# Altium PCB DIOT_temperature_logger.PCBDOC (part 3 of 5)
Units mm, origin at the board's own origin, x right, y up, seen from the top; angles counter-clockwise.
Board outline 238.48 x 100 mm, 4 copper layers (TOP, G1, L2, BOT), stack 1.55 mm thick; 582 components, 585 nets, 2348 pads, 974 vias.
Unrouted connection lines stored in the file: 797.
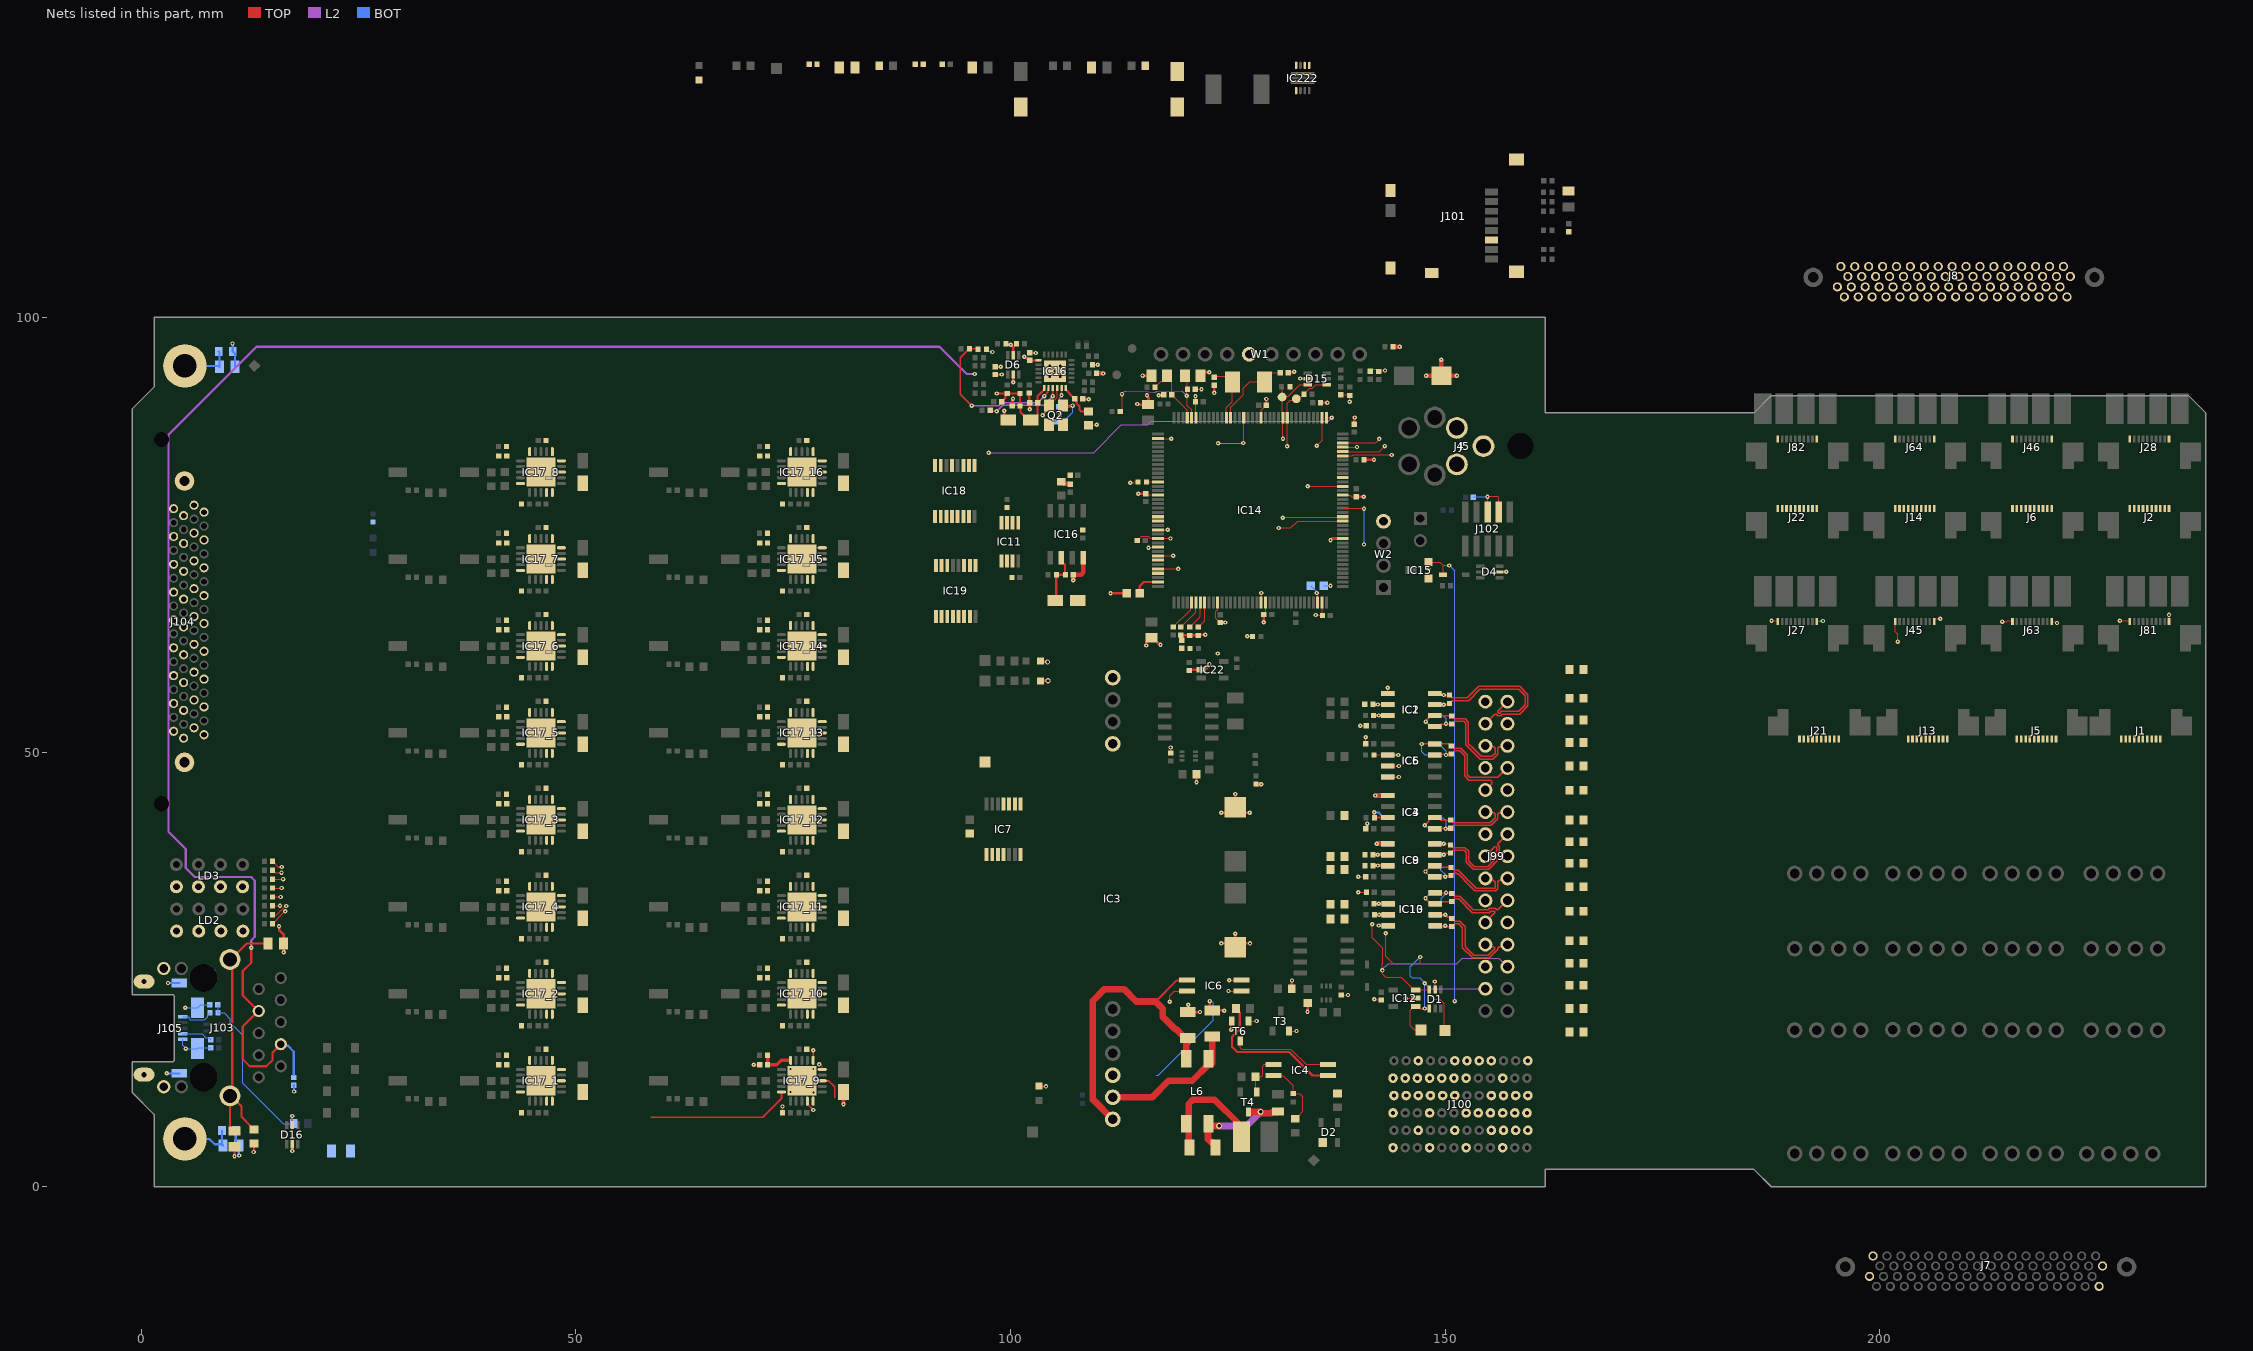
[diagram p5: the nets of this part, all layers, seen from the top]

## Part data (continued)
R333 R888: library part R0603_47K_1%_0.1W_100PPM, "Resistor - 1%", Case=0603, Manufacturer=GENERIC, Manufacturer1 ComponentHeight=0.55mm, Manufacturer1 Example="NIC COMPONENT", Manufacturer1 Part Number=NRC06F4702TRF, Power=0.1W, Tolerance=±1%, Author="CERN DEM JLC", Component Type=Standard, CreateDate=03.12.2007, HelpURL=\\cern.ch\dfs\Applications\Altium\Datasheets\R0603_NIC_NRC.pdf, LatestRevisionDate=13.03.2008, Manufacturer Part Number=R0603_47K_1%_0.1W_100PPM, Mounted=Yes, Part Description="General Purpose Thick Film Chip Resistor", Part Number=R0603_47K_1%_0.1W_100PPM, Pin Count=2, Sense=No, SMD=Yes, Socket=No, Status=Preferred, TC=±100ppm/°C
ST1: library part SCHROFF_PANEL_3U_4HP_Thermostat, "Schroff 3HP 4U EUROCARD Panel", Manufacturer=Schroff, Manufacturer Part Number=20818-017, Manufacturer Part Number 2=20848-664
SW1_1 SW1_2 SW1_3 SW1_4 SW1_5 SW1_6 SW1_7 SW1_8 SW1_9 SW1_10 SW1_11 SW1_12 SW1_13 SW1_14 SW1_15 SW1_16: library part SW_OMRON_A6SN-1101, "1 Ways SPST DIP Switch", Manufacturer=OMRON, Manufacturer Part Number=A6SN-1101, Author="CERN DEM JLC", Component Type=Standard, ComponentHeight=4.6mm, CreateDate=25.02.2013, Family=Switch, HelpURL=\\cern.ch\dfs\Applications\Altium\Datasheets\SW_OMRON_A6SN-1101.pdf, LatestRevisionDate=25.02.2013, Mounted=Yes, PackageDescription="Body 4.48x7.5mm, 1 Way SPST Surface-Mounting Slide Switch With Flat Actuator (A6SN Series)", Part Description="1 Way SPST Surface-Mounting Slide Switch With Flat Actuator, Contact Rating 25mA 24VDC", Part Number=SW_OMRON_A6SN-1101, Pin Count=2, PressFit=No, Sense=No, SMD=Yes, Socket=No, Status=None
T1 T3: "-30V -19.7A P-Channel MOSFET", Case=SOIC8, Manufacturer="VISHAY SILICONIX", Author="CERN DEM MR", Bonding=No, Component Type=Standard, ComponentHeight=1.75mm, CreateDate=05/10/2016, Device=SI4425DDY-T1-GE3, HelpURL=\\cern.ch\dfs\Applications\Altium\Datasheets\SI4425DDY-T1-GE3.pdf, LatestRevisionDate=05/10/2016, Manufacturer Part Number=SI4425DDY-T1-GE3, Mounted=Yes, PackageDescription="SOIC 8, Pitch 1.27mm - Body 4x5mm, IPC Medium Density", Part Description="-30V -19.7A P-Channel MOSFET", Part Number=SI4425DDY-T1-GE3, Pin Count=8, PressFit=No, Sense=No, SMD=Yes, Socket=No
T2 T5: "45V, 100mA PNP General Purpose Double Transistor", Case=SOT666, Manufacturer="NXP SEMICONDUCTORS", Author="CERN DEM JLC", Bonding=No, Component Type=Standard, ComponentHeight=0.6mm, CreateDate=01/12/2011, Device=BC857BV, HelpURL=\\cern.ch\dfs\Applications\Altium\Datasheets\BC857BV.pdf, LatestRevisionDate=01/12/2011, Manufacturer Part Number=BC857BV, Mounted=Yes, PackageDescription="SOTFL (SOT666), 0.50mm, Pitch; 6 Pin, 1.20mm W X 1.60mm L X 0.60mm H Body, IPC Medium Density", Part Description="-45V -100mA PNP General Purpose Double Transistor", Part Number=BC857BV, Pin Count=6, PressFit=No, Sense=No, SMD=Yes, Socket=No
T3 T4 T6: "N-CHANNEL MOSFET WITH DIODE", Case=SOT23-3, Manufacturer="ON SEMICONDUCTOR", Bonding=No, Component Type=Standard, Mounted=Yes, Pin Count=3, PressFit=No, Sense=No, SMD=Yes, Socket=No
  T3 T6: Author="CERN DEM JLC", ComponentHeight=1.11mm, CreateDate=23.03.2009, Device=BSS138LT1G, HelpURL=\\cern.ch\dfs\Applications\Altium\Datasheets\BSS138LT1G.pdf, LatestRevisionDate=23.03.2009, Manufacturer Part Number=BSS138LT1G, PackageDescription="SOT23 3-Leads, Pitch 0.95mm - Body 1.4x3mm, IPC Medium Density", Part Description="50V 200mA N-Channel Enhancement Mode Field-Effect Transistor", Part Number=BSS138LT1G
  T4: Author="CERN DEM BC", ComponentHeight=1.12mm, ComponentLink1Description="Package Drawing", ComponentLink1URL=\\cern.ch\dfs\Applications\Altium\Datasheets\FDN86246_Package.pdf, CreateDate=10.10.2019, Device=FDN86246, HelpURL=\\cern.ch\dfs\Applications\Altium\Datasheets\FDN86246.pdf, LatestRevisionDate=10.10.2019, Manufacturer Part Number=FDN86246, PackageDescription="SOT, 0.95mm, pitch; 3 pin,1.30mm W X 2.92mm L X 1.12mm H body, IPC Medium Density", Part Description="150V 1.6A N-Channel Power Trench® MOSFET", Part Number=FDN86246
TP1 TP2 TP3 TP6 TP8 TP9 TP10: library part SMD_PAD_1.27X1.27MM, Author="CERN DEM JLC", Component Type="Standard (No BOM)", ComponentHeight=0mm, CreateDate=12.01.2008, Family="Test Point", HelpURL=Undefined, LatestRevisionDate=12.01.2008, Mounted=No, PackageDescription="1.27mm x 1.27mm PCB Copper Area (SMD Test Point)", Part Description="1.27mm x 1.27mm PCB Copper Area (SMD Test Point)", Part Number=SMD_PAD_1.27X1.27MM, Pin Count=1, Sense=No, SMD=Yes, Socket=No, Status=None
W1: library part SAMTEC_MTLW-110-07-L-S-250, "10 Mini Wire-Wrap Contact Strip Header", Manufacturer=SAMTEC, Manufacturer Part Number=MTLW-110-07-L-S-250, Author="CERN DEM JLC", ComponentHeight=7.87mm, Component Type=Standard, CreateDate=01.11.2017, Family="Header 10", HelpURL=\\cern.ch\dfs\Applications\Altium\Datasheets\SAMTEC_MTLW-110-07-L-S-250.pdf, LatestRevisionDate=01.11.2017, Mounted=Yes, Part Description="10 Contacts, Pitch 2.54mm, Single Row Through Mount Straight Header (Post Lead = 6.35mm, Tail Lead 3.05mm, Insulator 1.52mm)", Part Number=SAMTEC_MTLW-110-07-L-S-250, Pin Count=10, PressFit=No, Sense=No, SMD=No, Socket=No, Status=None
W2: library part SAMTEC_HTSW-104-23-L-S, "4 Mini Wire-Wrap Contact Strip Header", Manufacturer=SAMTEC, Manufacturer Part Number=HTSW-104-23-L-S, Author="CERN DEM JLC", ComponentHeight=8.38mm, Component Type=Standard, CreateDate=22/02/2018, Family="Header 4", HelpURL=\\cern.ch\dfs\Applications\Altium\Datasheets\SAMTEC_HTSW-104-23-L-S.pdf, LatestRevisionDate=22/02/2018, Mounted=Yes, Part Description="4 Contacts, Pitch 2.54mm, Single Row  Through Mount Straight Header (Post Lead 5.84mm, Tail Lead 2.92mm, Insulator 2.54mm)", Part Number=SAMTEC_HTSW-104-23-L-S, Pin Count=4, PressFit=No, Sense=No, SMD=No, Socket=No, Status=Preferred, Status Comment="High Temperature"

## Via types
v1: diameter 0.5, hole 0.2, TOP to BOT, tented both sides, 922 vias
v2: diameter 0.7, hole 0.4, TOP to BOT, tented both sides, 39 vias
v3: diameter 0.5, hole 0.2, TOP to BOT, 5 vias
v4: diameter 0.66, hole 0.33, TOP to BOT, tented both sides, 5 vias
v5: diameter 0.6, hole 0.3, TOP to BOT, tented both sides, 2 vias
v6: diameter 0.6, hole 0.3, TOP to BOT, 1 vias

## Nets (pads, with @x,y where several pads share a name; then routed paths per layer and width w, separated by ;. In a path a pad name is that pad's centre, name@x,y a point inside that pad or via, vN(x,y) a via of type N, cw(c..) or ccw(c..) an arc to the next point about the centre after c; other vN are vias at no path point)
5V0_USB: D222.2 F1.2
AFE_SCL: B2.1 D15.3 IC14.11 J104.68 R63.2 | length 9.3
  TOP w0.127: 131.194,92.014 131.232,91.976 B2.1@131.232,91.08 ; v1(131.333,86.025) 131.33,86.027 131.33,88.441 131.232,88.539 B2.1@131.232,90.836 131.301,90.906 131.922,90.906 133.291,92.275 133.509,92.275 D15.3@134.175,92.275
AFE_SDA: B1.1 D15.4 IC14.10 J104.34 R62.2 | length 10.4
  TOP w0.127: v1(131.809,85.185) 131.819,85.194 131.819,88.434 IC14.10@131.828,88.444 131.828,90.116 132.179,90.467 132.699,90.467 133.033,90.802 133.394,90.802 133.753,91.16 133.753,91.2 134.401,91.848 134.693,91.848 135.119,92.275 D15.4@136.375,92.275
AT_EVENT: IC6.4@126.583,23.787 IC14.66 R67.1@108.293,75.539 | length 1.4
  TOP w0.127: v1(125.16,23.756) 125.191,23.787 IC6.4@126.583,23.787
AVDDT_PHY: C34.1 C36.2 C38.2@101.095,89.8 C42.2 C43.1 C45.2 D6.5 IC16.1@103.87,91.9 IC16.19 J103.4 J103.7 L2.1 R72.2 R73.2 R80.1 R81.1 | length 207.9
  TOP w0.254: v1(12.669,27.496) 12.669,25.781 11.712,24.824 11.712,21.998 J103.7@13.495,20.215 ; J103.4@16.079,16.405 15.135,15.46 15.135,14.585 14.415,13.865 12.511,13.865 11.712,14.663 11.712,18.432 J103.7@13.495,20.215 ; C36.2@98.252,93.423 v1(98.984,93.423) ; v1(98.425,91.25) 98.427,91.252 99.583,91.252 99.423,91.092 99.423,90.742 98.991,90.31 L2.1@98.991,90.3 ; R80.1@99.606,91.255 R81.1@101.09,91.255 101.092,91.252 101.092,89.803 101.136,89.759 101.136,89.109 102.07,88.175 102.62,88.175 103.118,88.673 103.118,89.332 103.12,89.334 103.12,90.945 103.857,91.682 103.857,91.887 IC16.1@103.87,91.9 ; R72.2@99.606,96.904 99.624,96.886 99.978,96.886 v1(100.025,96.839) ; v1@99.978,96.769 100.116,96.769 100.31,96.576 ; D6.5@100.31,95.63 100.31,96.576 ; R73.2@100.666,96.952 100.666,96.932 100.31,96.576 ; v1(101.575,95.465) 101.642,95.465 101.875,95.232 102.037,95.232 C34.1@102.22,95.049 IC16.19@103.22,95.05 ; J103.7@13.495,20.215 J103.7@13.539,20.215 J103.7@13.495,20.215
  L2 w0.254: v1(12.669,27.496) 12.669,28.331 13.091,28.753 13.091,35.215 12.661,35.645 6.175,35.645 5.156,36.664 5.156,38.844 3.15,40.85 3.15,86.503 13.272,96.625 91.831,96.625 94.983,93.473 95.866,93.473 v1(95.881,93.488)
  BOT w0.254: J103.4@16.079,16.405 16.268,16.216 16.911,16.216 17.577,15.55 17.577,12.895
BGA0: J100.C3
BGA1: J100.F3
BGA2: J100.I3
BGA3: J100.L3
BP_I2C.SCL: IC7.8 IC7.11 J100.B2
BP_I2C.SDA: IC7.1 IC7.4 J100.C2
BP_IO.LVDS0_N: J100.E3 R2.1
BP_IO.LVDS0_P: J100.D3 R1.1
BP_IO.LVDS1_N: J100.B3 R4.1
BP_IO.LVDS1_P: J100.A3 R3.1
BP_IO.LVDS2_N: J100.C4 R6.1
BP_IO.LVDS2_P: J100.B4 R5.1
BP_IO.LVDS3_N: J100.L4 R8.1
BP_IO.LVDS3_P: J100.K4 R7.1
BP_IO.LVDS4_N: J100.I4 R12.1
BP_IO.LVDS4_P: J100.H4 R11.1
BP_IO.LVDS5_N: J100.K5 R16.1@165.9,28.3
BP_IO.LVDS5_P: J100.J5 R15.1
BP_IO.LVDS6_N: J100.H5 R19.1
BP_IO.LVDS6_P: J100.G5 R18.1
BP_IO.LVDS7_N: J100.F6 R21.1
BP_IO.LVDS7_P: J100.E6 R20.1
CPU_RESETn: D5.1 IC15.2 T6.1 | length 54.9
  TOP w0.127: T6.1@127.365,19.066 v1(128.304,19.066) ; IC15.2@148.088,71.861 149.363,71.861 149.756,71.467 ; D5.1@149.756,70.406 149.756,71.467 ; v1(150.469,71.46) 150.462,71.467 149.756,71.467
  BOT w0.127: v1(150.469,71.46) 151.079,70.85 v1(151.079,21.36)
CSN: R104.2
EEM_GPIO_0: R106.2
EEM_GPIO_1: R107.2
EEM_GPIO_2: R108.2
EEM_GPIO_3: R109.2
FFORCE_N0: J1.5 J8.5
FFORCE_N1: J1.9 J8.9
FFORCE_N2: J5.5@218.235,51.5 J8.13
FFORCE_N3: J5.9 J8.17
FFORCE_N4: J8.21 J13.5
FFORCE_N5: J8.25 J13.9
FFORCE_N6: J8.29 J21.5
FFORCE_N7: J8.33 J21.9
FFORCE_N8: J2.5 J8.39
FFORCE_N9: J2.9 J8.43
FFORCE_N10: J6.5 J8.47
FFORCE_N11: J6.9 J8.51
FFORCE_N12: J8.55 J14.5
FFORCE_N13: J8.59 J14.9
FFORCE_N14: J8.63 J22.5
FFORCE_N15: J8.67 J22.9
FFORCE_P0: J1.2 J8.2
FFORCE_P1: J1.6 J8.6
FFORCE_P2: J5.2@219.745,51.5 J8.10
FFORCE_P3: J5.6 J8.14
FFORCE_P4: J8.18 J13.2
FFORCE_P5: J8.22 J13.6
FFORCE_P6: J8.26 J21.2
FFORCE_P7: J8.30 J21.6
FFORCE_P8: J2.2 J8.36
FFORCE_P9: J2.6 J8.40
FFORCE_P10: J6.2 J8.44
FFORCE_P11: J6.6 J8.48
FFORCE_P12: J8.52 J14.2
FFORCE_P13: J8.56 J14.6
FFORCE_P14: J8.60 J22.2
FFORCE_P15: J8.64 J22.6
FORCE_N00: IC17_1.9 J104.5
FORCE_N01: IC17_2.9 J104.9
FORCE_N02: IC17_3.9 J104.13
FORCE_N03: IC17_4.9 J104.17
FORCE_N04: IC17_5.9 J104.21
FORCE_N05: IC17_6.9 J104.25
FORCE_N06: IC17_7.9 J104.29
FORCE_N07: IC17_8.9 J104.33
FORCE_N08: IC17_9.9 J104.39 | length 1.3
  TOP w0.2: IC17_9.9@76.65,9.85 76.65,9.497 77.3,8.847 v1(77.3,8.843)
FORCE_N09: IC17_10.9 J104.43
FORCE_N10: IC17_11.9 J104.47
FORCE_N11: IC17_12.9 J104.51
FORCE_N12: IC17_13.9 J104.55
FORCE_N13: IC17_14.9 J104.59
FORCE_N14: IC17_15.9 J104.63
FORCE_N15: IC17_16.9 J104.67
FORCE_P00: IC17_1.5 J104.2
FORCE_P01: IC17_2.5 J104.6
FORCE_P02: IC17_3.5 J104.10
FORCE_P03: IC17_4.5 J104.14
FORCE_P04: IC17_5.5 J104.18
FORCE_P05: IC17_6.5 J104.22
FORCE_P06: IC17_7.5 J104.26
FORCE_P07: IC17_8.5 J104.30
FORCE_P08: IC17_9.5 J104.36 | length 16.7
  TOP w0.2: 58.65,7.99 71.521,7.99 73.65,10.119 IC17_9.5@73.65,10.9
FORCE_P09: IC17_10.5 J104.40
FORCE_P10: IC17_11.5 J104.44
FORCE_P11: IC17_12.5 J104.48
FORCE_P12: IC17_13.5 J104.52
FORCE_P13: IC17_14.5 J104.56
FORCE_P14: IC17_15.5 J104.60
FORCE_P15: IC17_16.5 J104.64
FRTDIN_N0: J1.4 J8.4
FRTDIN_N1: J1.8 J8.8
FRTDIN_N2: J5.4@218.745,51.5 J8.12
FRTDIN_N3: J5.8 J8.16
FRTDIN_N4: J8.20 J13.4
FRTDIN_N5: J8.24 J13.8
FRTDIN_N6: J8.28 J21.4
FRTDIN_N7: J8.32 J21.8
FRTDIN_N8: J2.4 J8.38
FRTDIN_N9: J2.8 J8.42
FRTDIN_N10: J6.4 J8.46
FRTDIN_N11: J6.8 J8.50
FRTDIN_N12: J8.54 J14.4
FRTDIN_N13: J8.58 J14.8
FRTDIN_N14: J8.62 J22.4
FRTDIN_N15: J8.66 J22.8
FRTDIN_P0: J1.3 J8.3
FRTDIN_P1: J1.7 J8.7
FRTDIN_P2: J5.3@219.245,51.5 J8.11
FRTDIN_P3: J5.7 J8.15
FRTDIN_P4: J8.19 J13.3
FRTDIN_P5: J8.23 J13.7
FRTDIN_P6: J8.27 J21.3
FRTDIN_P7: J8.31 J21.7
FRTDIN_P8: J2.3 J8.37
FRTDIN_P9: J2.7 J8.41
FRTDIN_P10: J6.3 J8.45
FRTDIN_P11: J6.7 J8.49
FRTDIN_P12: J8.53 J14.3
FRTDIN_P13: J8.57 J14.7
FRTDIN_P14: J8.61 J22.3
FRTDIN_P15: J8.65 J22.7
GND: C1.1 C2.1 C3.1@140.862,50.968 C3.2@125.85,43.658 C4.1@95.325,40.626 C4.2@125.85,27.542 C5.1@140.862,35.656 C6.1 C7.1 C8.1 C9.2 C10.2 C11.2 C12.2 C13.2 C14.1 C15.1 C16.1 C17.2 C18.1 C19.2 C20.2 C21.1 C22.2 C23.2 C24.2 C25.2 C26.2 C27.2@116.207,63.15 C28.2 C29.2 C30.2 C31.2 C32.2 C33.2 C34.2 C35.2 C36.1 C37.2 C38.1@100.195,89.8 C38.2@106.85,81.832 C39.1 C40.1 C41.1 C42.1 C43.2 C44.1 C45.1 C46.1 C48_1.2 C48_2.2 C48_3.2 C48_4.2 C48_5.2 C48_6.2 C48_7.2 C48_8.2 C48_9.2 C48_10.2 C48_11.2 C48_12.2 C48_13.2 C48_14.2 C48_15.2 C48_16.2 C49_1.2 C49_2.2 C49_3.2 C49_4.2 C49_5.2 C49_6.2 C49_7.2 C49_8.2 C49_9.2 C49_10.2 C49_11.2 C49_12.2 C49_13.2 C49_14.2 C49_15.2 C49_16.2 C50_1.1 C50_2.1 C50_3.1 C50_4.1 C50_5.1 C50_6.1 C50_7.1 C50_8.1 C50_9.1 C50_10.1 C50_11.1 C50_12.1 C50_13.1 C50_14.1 C50_15.1 C50_16.1 C51.2 C52.2 C53.1 C54.1 C89.2 C111.1 C444.1 C555.2 C666.1 C777.1 C888.1 D1.2 D2.1 D4.2 D6.2 D15.2 D16.2 D24.2 IC1.4 IC2.5 IC3.4@143.394,45.003 IC3.7@111.76,50.945 IC3.10 IC4.5 IC5.5 IC6.3 IC6.4@143.394,47.127 IC7.7 IC8.4 IC9.5 IC10.5 IC11.4 IC11.5 IC11.6 IC11.7 IC12.2 IC13.4 IC14.16 IC14.31 IC14.38 IC14.51 IC14.61 IC14.83 IC14.94 IC14.107 IC14.120 IC14.130 IC15.1 IC16.4@108.377,72.361 IC16.25 IC17_1.10 IC17_1.15 IC17_1.16 IC17_1.21 IC17_2.10 IC17_2.15 IC17_2.16 IC17_2.21 IC17_3.10 IC17_3.15 IC17_3.16 IC17_3.21 IC17_4.10 IC17_4.15 IC17_4.16 IC17_4.21 IC17_5.10 IC17_5.15 IC17_5.16 IC17_5.21 IC17_6.10 IC17_6.15 IC17_6.16 IC17_6.21 IC17_7.10 IC17_7.15 IC17_7.16 IC17_7.21 IC17_8.10 IC17_8.15 IC17_8.16 IC17_8.21 IC17_9.10 IC17_9.15 IC17_9.16 IC17_9.21 IC17_10.10 IC17_10.15 IC17_10.16 IC17_10.21 IC17_11.10 IC17_11.15 IC17_11.16 IC17_11.21 IC17_12.10 IC17_12.15 IC17_12.16 IC17_12.21 IC17_13.10 IC17_13.15 IC17_13.16 IC17_13.21 IC17_14.10 IC17_14.15 IC17_14.16 IC17_14.21 IC17_15.10 IC17_15.15 IC17_15.16 IC17_15.21 IC17_16.10 IC17_16.15 IC17_16.16 IC17_16.21 IC18.8 IC19.8 IC22.2 IC222.3 IC222.4 IC222.11 J1.1 J1.10 J2.1 J2.10 J4.1@154.397,85.185 J5.1 J5.2@151.341,83.085 J5.10 J6.1 J6.10 J7.1 J7.34 J7.35 J7.68 J8.1 J8.34 J8.35 J8.68 J13.1 J13.10 J14.1 J14.10 J21.1 J21.10 J22.1 J22.10 J27.1 J27.10 J28.1 J28.10 J45.1 J45.10 J46.1 J46.10 J63.1 J63.10 J64.1 J64.10 J81.1 J81.10 J82.1 J82.10 J99.1 J99.4 J99.7 J99.10 J99.13 J99.16 J99.19 J99.22 J99.25 J100.A2 J100.A4 J100.A6 J100.C1 J100.C5 J100.D2 J100.D4 J100.D6 J100.F1 J100.F5 J100.G2 J100.G4 J100.G6 J100.I1 J100.I5 J100.J2 J100.J4 J100.J6 J100.L1 J100.L5 J101.6 J101.9 J101.10 J101.11 J101.13 J101.14 J102.3 J102.5 J103.L2 J103.L4 J104.1 J104.35 J104.69 J104.70 J105.5 J105.6 J105.7 J105.8 J105.9 J105.10 J105.11 LD2.1 LD2.3 LD2.5 LD2.7 LD3.1 LD3.3 LD3.5 LD3.7 LD6.1 LD10.1 Q2.2 Q2.4 R17.1 R27.1 R28.1 R31.1 R40.2 R42.2 R44.2 R45.2 R46.2 R47.2 R49.2 R68.1@121.4,47.458 R76.1 R85.1@118.415,49.918 R87.2 R88.2 R91.2 R94.1@143.999,96.631 R98_1.1 R98_2.1 R98_3.1 R98_4.1 R98_5.1 R98_6.1 R98_7.1 R98_8.1 R98_9.1 R98_10.1 R98_11.1 R98_12.1 R98_13.1 R98_14.1 R98_15.1 R98_16.1 R100.1 R101.1 R111.2 R154.1 R222.1 T3.2@132.037,17.921 T6.2 TP9.1 W1.5 W2.4 | length 170.6
  TOP w0.127: v1(12.95,4) v1@13,4.05 ; v1(70.477,14.05) C50_9.1@71.15,14.05 ; R98_9.1@73.76,8.53 73.784,8.554 v1(73.784,9.242) ; IC17_9.10@77.3,9.85 IC17_9.21@77.3,10.9 ; v1@78.205,14.011 78.35,13.866 IC17_9.15@78.35,13.5 ; R91.2@97.228,96.35 97.228,96.33 97.454,96.104 97.737,96.104 97.818,96.023 v1(97.919,96.023) ; C36.1@98.252,94.323 98.256,94.318 v1(98.88,94.318) ; C43.2@99.289,88.631 C43.2@99.745,88.175 ; v1@100.195,90.462 100.28,90.547 v1(100.28,90.648) ; C34.2@102.22,95.949 102.264,95.905 v1(102.903,95.905) ; Q2.4@104.42,87.65 104.931,88.162 104.931,88.636 106.02,89.725 Q2.2@106.02,89.85 ; C40.1@108.295,90.625 C40.1@108.352,90.568 ; C44.1@108.97,87.575 109.835,87.575 v1(109.91,87.65) ; R87.2@109.446,94.55 109.46,94.536 v1(110.038,94.536) ; C29.2@114.582,74.341 115.082,74.842 115.871,74.842 115.982,74.73 115.982,74.673 116.087,74.569 IC14.61@116.953,74.569 116.955,74.571 118.398,74.571 v1(118.4,74.573) ; C23.2@115.553,79.719 115.703,79.569 IC14.51@116.953,79.569 ; C27.2@115.621,62.688 116.082,63.15 C27.2@116.207,63.15 C27.2@116.382,63.15 ; IC14.38@116.953,86.069 117.001,86.02 v1@118.47,86.02 ; v1(117.045,91.049) 117.595,91.049 C17.2@117.647,91.1 ; v1@117.201,62.332 v1(117.248,62.332) ; R85.1@118.415,49.918 v1(118.415,50.52) ; C20.2@121.256,91.732 v1(121.973,91.732) ; C24.2@121.278,90.3 v1(121.278,90.918) ; IC14.31@121.328,88.444 C24.2@121.328,90.037 ; C21.1@121.851,93.262 C21.1@121.901,93.312 ; IC14.83@123.828,67.194 123.828,66.383 123.753,66.309 123.722,66.309 123.61,66.197 123.61,65.409 123.901,65.118 C30.2@123.901,64.922 ; C30.2@124.111,64.909 124.122,64.897 v1(124.71,64.897) ; v1(125.071,22.517) IC6.3@126.583,22.517 ; v1(125.378,18.052) 125.378,18.979 T6.2@125.465,19.066 ; v1(127.24,63.333) 127.819,63.333 R111.2@127.858,63.294 ; IC14.16@128.828,88.444 128.828,89.304 C26.2@129.435,89.912 ; C31.2@129.128,65.819 129.328,66.019 IC14.94@129.328,67.194 ; T3.2@132.037,17.921 v1(132.887,17.921) ; v1@132.35,23.713 v1(132.369,23.731) ; v1(133.323,92.963) D15.2@134.175,92.963 ; v1(134.163,20.148) v1@134.19,20.175 ; D15.2@134.175,92.925 D15.2@134.45,92.925 ; v1(135.105,65.764) 135.822,65.764 C32.2@135.878,65.708 135.828,65.758 IC14.107@135.828,67.194 ; C12.2@138,91.1 138.93,91.1 R49.2@139,91.03 v1(139,90.3) ; R27.1@138.02,22.056 v1(138.809,22.056) ; IC14.130@138.203,79.569 138.254,79.517 139.068,79.517 139.217,79.369 C25.2@139.778,79.369 ; v1@139.553,88.46 v1(139.578,88.485) ; v1(139.985,33.875) C2.1@140.945,33.875 ; v1(139.985,35.656) C5.1@140.862,35.656 ; v1(140.223,53.025) C8.1@140.912,53.025 ; C1.1@140.862,41.193 141.028,41.36 v1(141.028,41.776) ; C3.1@140.862,50.968 v1(140.862,51.696) ; C9.2@141.364,93.784 141.591,94.011 142.118,94.011 R42.2@142.345,93.784 142.439,93.878 v1(143.077,93.878) ; v1@141.777,83.6 v1(141.805,83.628) ; v1(141.845,21.575) 141.928,21.492 C6.1@142.643,21.492 ; v1(142.342,30.048) 142.37,30.02 IC13.4@143.425,30.02 ; IC6.4@143.394,47.127 v1(144.671,47.126) ; IC6.3@143.394,48.397 v1(144.671,48.397) ; IC2.5@143.394,56.751 v1(143.394,57.4) ; R94.1@143.999,96.631 R94.1@144.005,96.625 ; v1(145.44,21.666) 145.476,21.702 IC12.2@146.619,21.702 ; IC15.1@148.088,69.956 v1(148.088,71.012) ; v1(148.794,23.61) 148.837,23.567 D1.2@148.837,22.702 ; J102.5@154.86,77.5 v1(154.86,79.369) ; v1@154.94,79.477 154.996,79.42 156.056,79.42 156.13,79.346 J102.3@156.13,77.5 ; D4.2@155.93,70.713 155.948,70.731 v1(157.009,70.731) ; v1(187.522,65.097) 188.158,65.097 188.245,65.011 J27.1@188.245,65 ; J27.10@192.745,65 192.817,65.072 v1(193.433,65.072) ; J45.1@201.745,65 201.745,63.817 202.035,63.527 v1(202.035,62.71) ; J45.10@206.245,65 206.245,65.245 206.331,65.331 v1(206.939,65.331) ; v1(214.067,65.006) 214.6,65.006 214.697,65.102 215.158,65.102 215.245,65.016 J63.1@215.245,65 ; J63.10@219.745,65 220.109,65 220.259,64.85 v1@220.36,64.85 ; v1(227.595,65.102) 228.658,65.102 228.745,65.016 J81.1@228.745,65 ; J81.10@233.245,65 v1(233.245,65.777)
  TOP w0.152: IC17_9.16@77.3,14.55 v1(77.3,15.703)
  TOP w0.254: v1(10.754,3.504) C35.2@10.754,4.612 ; v1@13,4.05 R76.1@13,5 ; D16.2@17.4,4.9 17.4,4.123 v1(17.404,4.119) ; LD2.1@103.325,11.55 v1(104.079,11.55) ; v1(121.398,46.518) 121.404,46.523 121.404,46.58 121.4,46.583 R68.1@121.4,47.458